# Altium PCB AT91-PCB.PcbDoc (part 2 of 3) (continued)
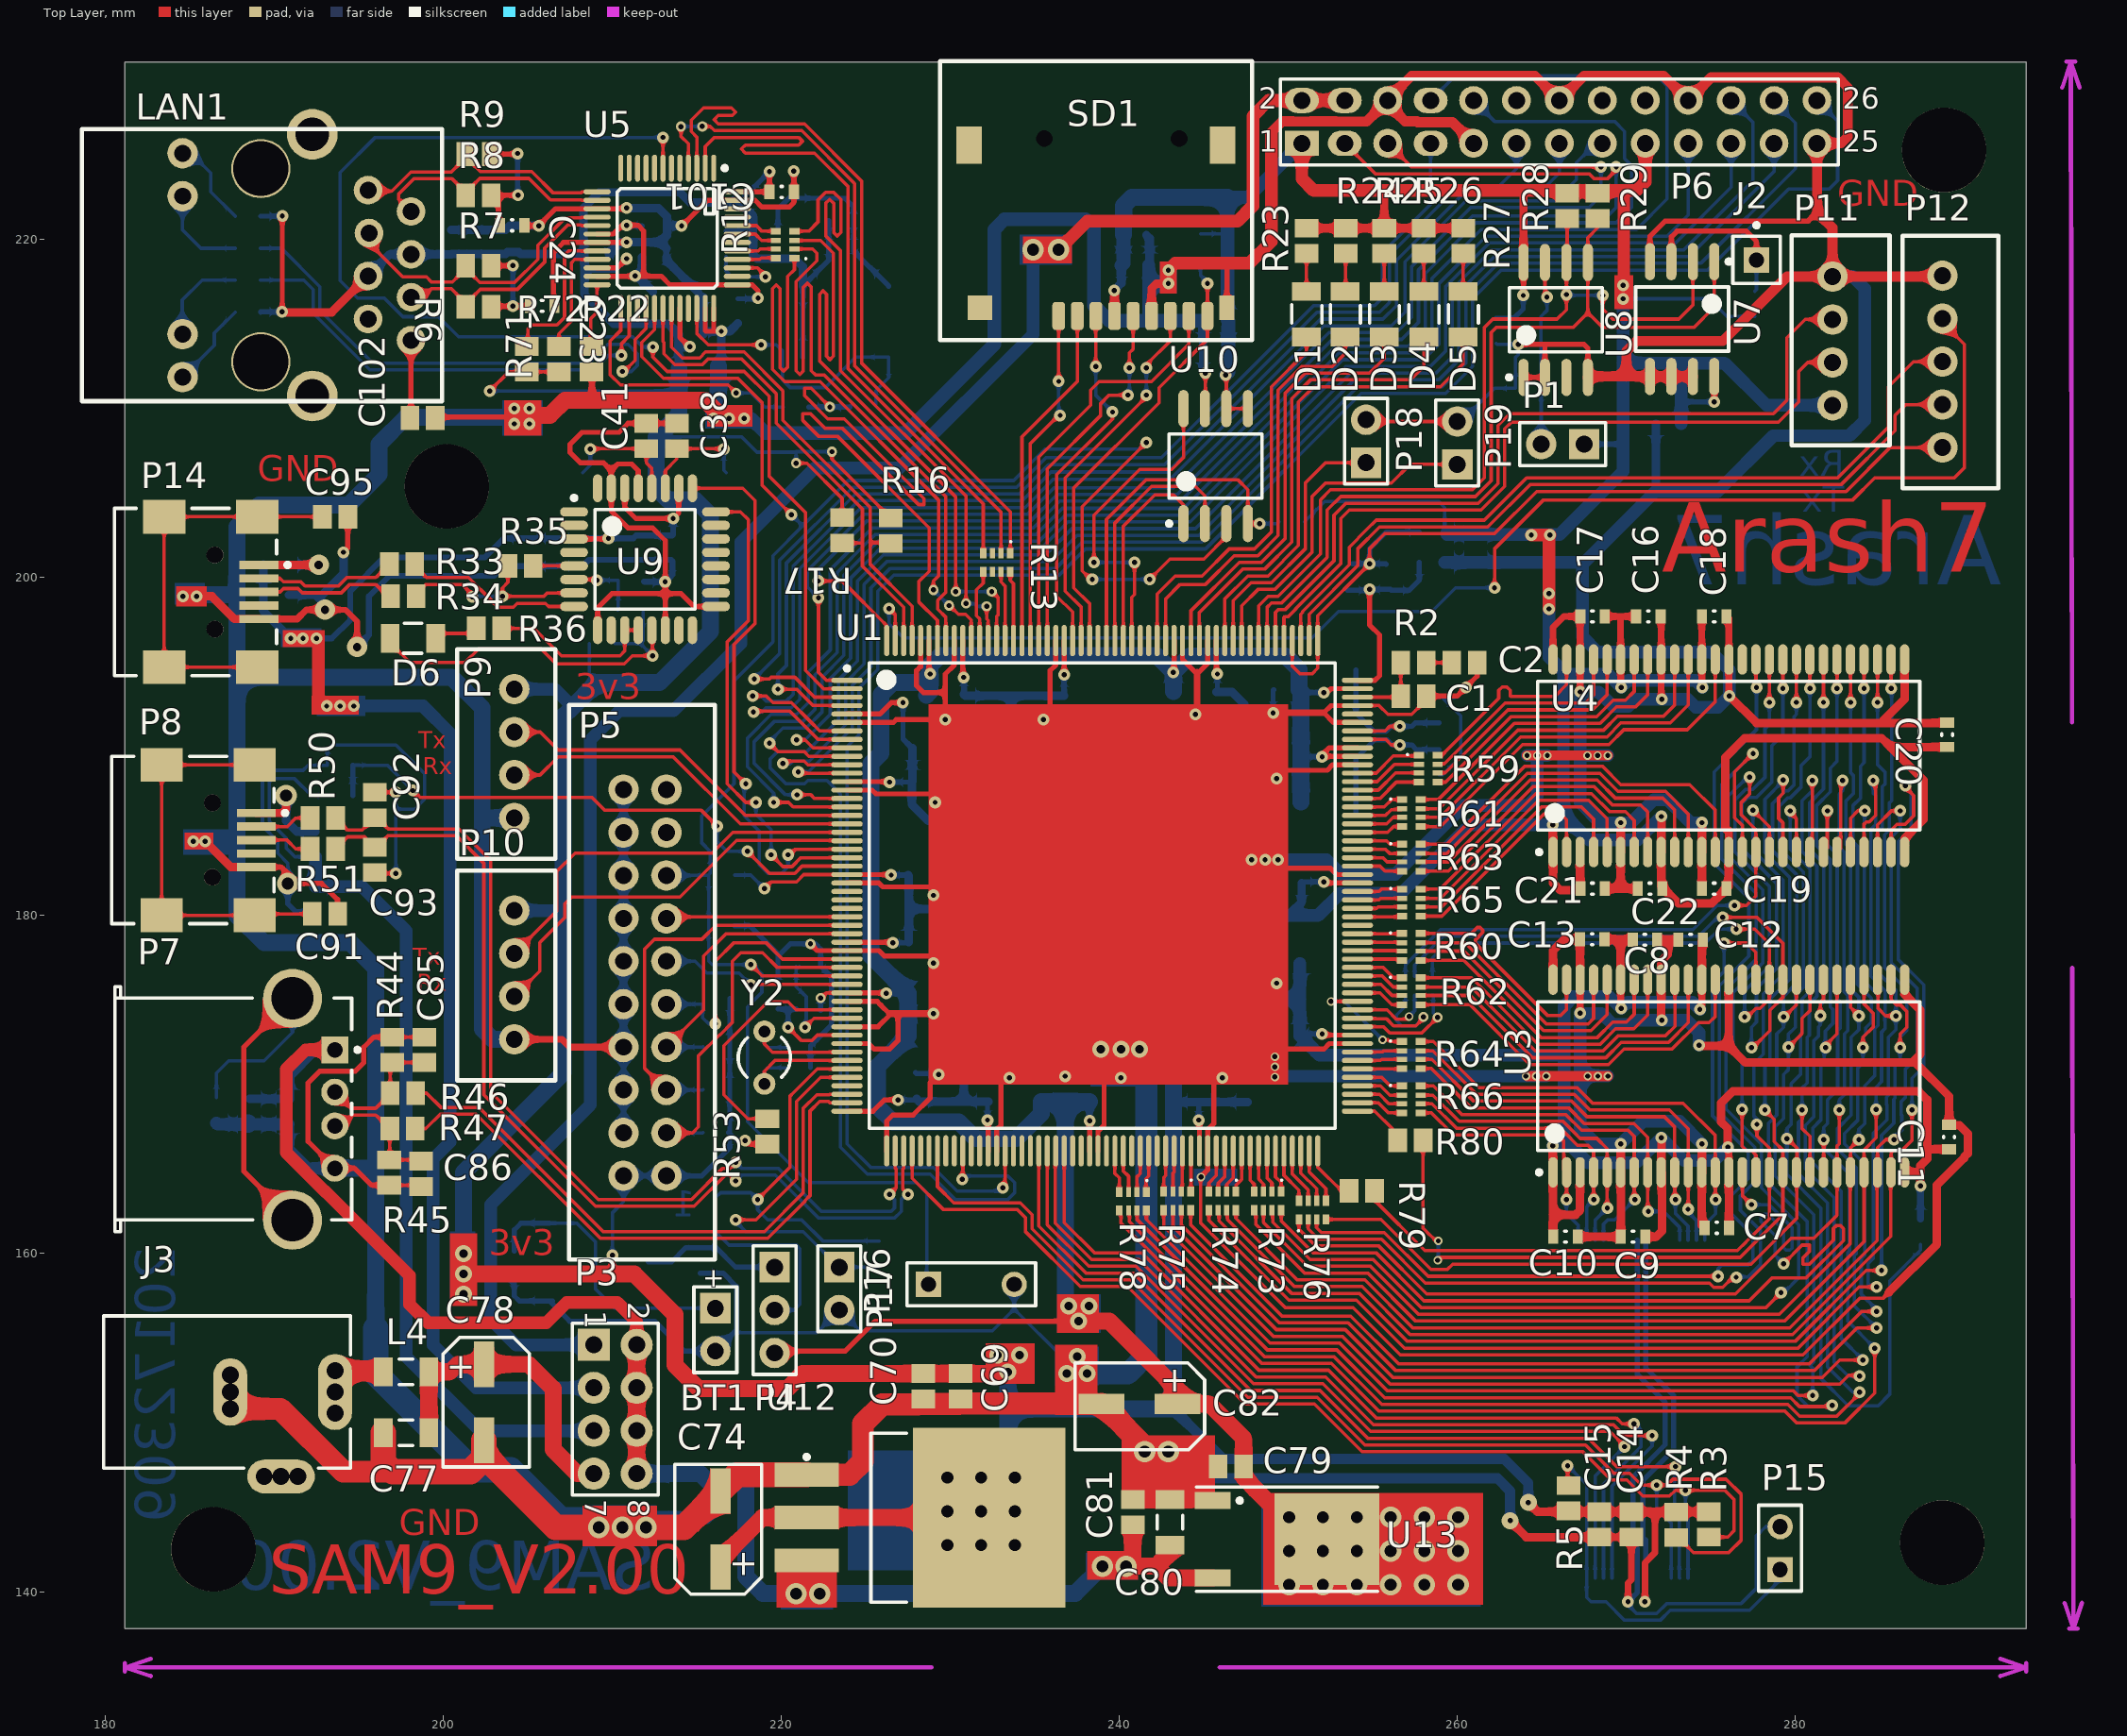
[diagram p0: Top Layer view]
## Nets (pads, with @x,y where several pads share a name; then routed paths per layer and width w, separated by ;. In a path a pad name is that pad's centre, name@x,y a point inside that pad or via, vN(x,y) a via of type N, cw(c..) or ccw(c..) an arc to the next point about the centre after c; other vN are vias at no path point) (continued)
  Bottom Layer w0.35: v6(193,198.1) v6@193,198.425 ; v6(194.9,195.9) 195.6,196.6 195.6,198.9 196.8,200.1 203,200.1 203.575,200.675 C42.1@204.85,200.675 206.7,200.675 C44.1@206.725,200.7 208.25,200.7 208.6,201.05 213.475,201.05 C43.1@213.55,200.975 213.55,200.175 v1(213.125,199.75) 211.9,199.75 C36.1@211.875,199.775
  Bottom Layer w0.4: P5.8@210.66,172.22 P5.10@210.66,174.76 P5.12@210.66,177.3 P5.14@210.66,179.84 P5.16@210.66,182.38 P5.18@210.66,184.92 P5.20@210.66,187.46
  Bottom Layer w0.5: C94.1@190.85,198.975 192.45,198.975 192.65,198.775 ; v6@193,198.425 192.65,198.775 ; v1(194.1,201.5) 194.1,200.225 192.65,198.775 ; C25.2@200.475,220.575 C28.1@201.8,220.575 203.675,220.575 203.925,220.825 v1(205.65,220.825) ; C26.1@209.8,219.15 210.5,219.85 ; v1@210.875,219.85 212.825,219.85 ; v1@210.875,221.875 212.725,221.875 213.225,221.375 C32.1@213.225,220.8 213.225,220.25 212.825,219.85 ; v2(212,143.8) v2@212,144.25 ; C33.1@213.2,218.95 213.2,218.775 C29.2@215.05,216.925 ; 213.2,219.475 212.825,219.85 ; C32.1@213.25,220.825 v1(214.1,220.825) ; C75.1@214.2,144.25 215.6,144.25 C76.1@216.4,145.05 ; C100.1@215.375,214.4 C29.2@215.375,216.6 ; C100.1@215.55,214.575 v1(216.45,214.575) ; C99.2@216.275,212.5 216.45,212.675 v1(216.45,214.575) ; C31.1@217.425,215.05 216.95,214.575 v1(216.45,214.575) ; C58.1@235.382,170.498 C62.1@238.227,170.498 ; C62.1@238.325,170.4 v1(240.1,170.4) ; C83.1@241.599,220.269 241.8,220.069 C84.1@241.8,218.291 ; 242.125,148.025 v2@243.05,148.025 ; C40.1@244.95,215.2 C39.1@244.95,213.4 244.95,212.25 v1(245.1,212.1) ; 271.7,205.1 271.75,205.15 C37.1@271.75,209.1
  Bottom Layer w0.6: v2@242.85,148.225 244.375,146.7 262.375,146.7 263.125,145.95 v7(263.125,144.2)
  Bottom Layer w0.7: C89.1@190.83,167.652 190.83,166.17 191.947,165.053 P7.4@193.578,165.053
  Bottom Layer w0.75: C87.1@186.575,167.725 186.648,167.652 C88.1@188.471,167.652 ; C88.1@188.544,167.652 C89.1@190.83,167.652 ; C84.1@241.75,218.5 241.75,218.341 241.75,217.4 ; 241.9,215.2 241.75,215.35 241.75,217.4 ; v1(242.9,217.4) 241.75,217.4 ; v1(247.825,183.3) v1(249.4,183.3) 252.275,183.3 253.125,182.45 256.325,182.45 260.4,186.525 264.175,186.525 264.725,187.075 v3(264.725,189.475) ; C55.1@249.2,172.884 249.2,170.5 v3(265.262,170.5) ; L5.2@259.25,200.9 267.4,200.9 ; v3(264.125,189.475) v3(264.725,189.475) ; v3(265.325,189.475) v3(264.725,189.475) ; v1(267.264,174.238) v1@267.264,174.213 ; v3@268.887,170.525 267.264,170.525 ; v3(268.9,189.475) v3(267.7,189.475) 267.364,189.475 267.264,189.575 ; v1(274.3,172.325) 274.3,173.075 273.573,173.802 v1(272.1,173.802) 270.527,173.802 270.277,173.552 269.198,173.552 268.537,174.213 v1@267.264,174.213 ; v1(274.475,166.502) 273.152,167.825 270.998,167.825 v1(269.675,166.502) 268.2,166.502 267.264,167.438 267.264,170.525 ; v1(274.475,185.5) 273.8,185.5 272.45,186.85 271.625,186.85 270.275,185.5 v1(269.675,185.5) 268.45,185.5 267.264,186.686 267.264,189.575 ; 283.28,217.82 283.38,217.82 284.1,217.1 284.1,209.3 283.2,208.4 278.7,208.4 275.4,205.1 271.7,205.1 267.4,200.8 267.4,196.5 268.3,195.6 275.025,195.6 276.1,194.525 v1(276.1,193) 275.425,192.325 274.1,192.325 273.625,192.8 v1(272.1,192.8) 270.55,192.8 270.125,192.375 269.225,192.375 268.364,193.236 v1(267.264,193.236) 267.264,189.575 ; 267.264,170.525 v1@267.264,174.213
  Bottom Layer w0.8: v1@217.6,209.4 218.225,209.4 219.075,208.55 227.35,208.55 232.6,213.8 232.6,220.6 233.2,221.2 238,221.2 238.5,220.7 238.5,216.1 239.4,215.2 241.9,215.2 C40.1@244.95,215.2
  Bottom Layer w1: v1(185.2,184.4) v1(185.9,184.4) ; v1@185.2,199 187.6,199 187.8,199.2 ; J3.2A@187.4,150.811 J3.2@187.4,151.811 J3.2B@187.4,152.811 ; C88.1@188.471,167.652 C88.1@188.471,167.725 ; P7.4@193.578,165.053 195.953,165.053 ; 196,155.55 196,176.9 194.5,178.4 189.4,178.4 187.8,180 187.8,194.1 ; 203.8,209.5 197.8,209.5 196.2,207.9 196.2,206.1 194.4,204.3 189.1,204.3 187.8,203 187.8,199.2 ; P10.4@204.2,172.68 202.92,172.68 202.3,173.3 202.3,185.9 ; P9.4@204.2,185.78 202.42,185.78 202.3,185.9 ; v2@212,144.25 C75.1@214.2,144.25 ; v1@216.275,209.425 C99.2@216.275,212.5 ; 187.8,194.1 187.8,199.2 ; 187.8,194.1 200.5,194.1 202.3,192.3 202.3,185.9
  Bottom Layer w1.3: v5(238.1,152.9) 240.5,152.9 241.6,154 241.6,171.3 v5@240.9,172
  Bottom Layer w1.5: 196,155.55 196,152.9 201.7,147.2 204,147.2 206.95,144.25 v2@212,144.25
  other v1: 236.804,170.498 248.625,183.3 184.6,198.9 185.4,198.9 204.2,209.1 205.1,209.1 216,209.425 216.9,209.425 217.8,209.425 204.2,210 205.1,210 210.85,219.85 210.85,221.875
  other v2: 210.6,143.8 242.9,148.275
  other v3: 249.2,170.45 264.062,170.5 264.662,170.5 249.2,171.05 249.2,171.65 268.3,189.475
  other v5: 236.9,152.9 237.5,153.9 238.9,172.1 240.1,172.1 241.2,172.1
GNDA: C72.1 C73.1 L5.1 U1.156 | length 12.4
  Top Layer w0.3: U1.156@254.089,193.928 255.128,193.928 255.4,194.2 255.4,196.6 254.8,197.2 v1(254.8,199.3)
  Bottom Layer w0.3: C73.1@253.5,199.25 254.75,199.25 v1(254.8,199.3) 256.05,199.3 C72.1@256.1,199.25 257.15,199.25 257.75,199.85 L5.1@257.75,200.9
GP_SCL: R28.2 U1.164 U7.2 U8.6 | length 51.5
  Top Layer w0.2: U1.164@248.239,196.278 248.239,198.339 248.8,198.9 249.4,198.9 251.9,201.4 251.9,204.6 252.5,205.2 260.9,205.2 261.6,205.9 261.6,214.8 262.1,215.3 265.9,215.3 266.45,215.85 v1(266.45,216.75) v1@266.445,216.755 ; v1@266.455,216.8 U8.6@266.455,218.649 266.5,218.695 R28.2@266.5,221.25 ; v1(268.6,216.7) 268.6,215.9 269.2,215.3 273.1,215.3 273.935,216.135 U7.2@273.935,218.7
  Bottom Layer w0.2: v1(266.45,216.75) 266.5,216.7 v1(268.6,216.7)
GP_SDA: R29.2 U1.163 U7.1 U8.5 | length 51.8
  Top Layer w0.2: U1.163@248.739,196.278 248.739,198.239 249,198.5 249.6,198.5 252.3,201.2 252.3,204 253.1,204.8 261.066,204.8 262,205.734 262,214.5 262.3,214.8 266.849,214.8 267.725,215.675 ; R29.2@268.3,221.25 268.3,220.7 267.725,220.125 U8.5@267.725,218.649 267.725,215.675 ; U7.1@275.205,218.7 275.205,216.005 274,214.8 268.6,214.8 267.725,215.675
HD_N: R46.1 U1.50 | length 35.2
  Top Layer w0.2: R46.1@198.362,169.494 199.012,169.494 199.853,168.653 202.113,168.653 209.466,161.3 219,161.3 221.3,163.6 221.3,168.6 222.1,169.4 222.835,169.4 222.864,169.428 U1.50@223.889,169.428
HD_P: R47.1 U1.51 | length 35.3
  Top Layer w0.2: R47.1@198.337,167.411 198.987,167.411 199.828,168.253 201.947,168.253 209.3,160.9 219.2,160.9 221.4,163.1 221.4,163.134 221.7,163.434 221.7,168.434 222.266,169 222.792,169 222.864,168.928 U1.51@223.889,168.928
LED0: D1.2 U1.176 | length 23.4
  Top Layer w0.2: U1.176@242.239,196.278 242.239,199.039 243.3,200.1 244.9,200.1 246.5,201.7 248,201.7 249,202.7 249,211.3 251.077,213.377 D1.2@251.077,214.236
LED1: D2.2 U1.175 | length 25.1
  Top Layer w0.2: U1.175@242.739,196.278 242.739,198.739 243.6,199.6 245.1,199.6 246.8,201.3 248.2,201.3 249.4,202.5 249.4,211.1 250.8,212.5 252.6,212.5 253.363,213.263 D2.2@253.363,214.236
LED2: D3.2 U1.172 | length 25.7
  Top Layer w0.2: U1.172@244.239,196.278 244.239,198.039 247.1,200.9 248.4,200.9 249.8,202.3 249.8,210.9 251,212.1 254.8,212.1 255.674,212.974 D3.2@255.674,214.236
LED3: D4.2 U1.171 | length 27.7
  Top Layer w0.2: U1.171@244.739,196.278 244.739,197.939 247.3,200.5 248.6,200.5 250.2,202.1 250.2,210.6 251.3,211.7 257.2,211.7 258.011,212.511 D4.2@258.011,214.236
LED4: D5.2 U1.168 | length 28.9
  Top Layer w0.2: U1.168@246.239,196.278 246.239,198.739 247.6,200.1 248.8,200.1 250.6,201.9 250.6,210.4 251.5,211.3 259,211.3 260.348,212.648 D5.2@260.348,214.236
LINK_LED: LAN1.10 R10.2 | length 5.6
  Bottom Layer w0.2: LAN1.10@184.571,222.574 184.571,220.579 185.66,219.49 R10.2@187.69,219.49
MCCDA: SD1.3 U1.186 | length 21.4
  Top Layer w0.2: U1.186@237.239,196.278 237.239,197.961 236.3,198.9 236.3,206.1 239.6,209.4 v1(239.6,209.8) ; v1(238.6,212.5) 238.6,215.467 SD1.3@238.615,215.482
  Bottom Layer w0.2: v1(238.6,212.5) 238.6,210.8 v1(239.6,209.8)
MCCK: SD1.5 U1.189 | length 22.2
  Top Layer w0.2: U1.189@235.739,196.278 235.739,206.439 238.9,209.6 238.9,210.3 239.4,210.8 v1(240.5,210.8) ; v1(240.6,212.4) 240.6,213.3 240.815,213.515 SD1.5@240.815,215.482
  Bottom Layer w0.2: v1(240.5,210.8) 240.6,210.7 v1(240.6,212.4)
MCDA0: SD1.7 U1.185 | length 22.2
  Top Layer w0.2: U1.185@237.739,196.278 237.739,198.261 236.8,199.2 236.8,205.9 241.6,210.7 v1(241.6,210.8) ; v1(241.6,212.4) 241.6,212.6 243.015,214.015 SD1.7@243.015,215.482
  Bottom Layer w0.2: v1(241.6,210.8) v1(241.6,212.4)
MCDA1: SD1.8 U1.190 | length 24.7
  Top Layer w0.2: U1.190@235.239,196.278 235.239,207.139 238.3,210.2 238.3,211.1 238.8,211.6 241.9,211.6 244.115,213.815 SD1.8@244.115,215.482
MCDA2: SD1.1@236.415,215.482 U1.191 | length 20.1
  Top Layer w0.2: U1.191@234.739,196.278 234.739,207.939 236.4,209.6 v1(236.5,209.6) ; v1(236.415,211.615) SD1.1@236.415,215.482
  Bottom Layer w0.2: v1(236.415,211.615) 236.415,209.615 236.43,209.6 v1(236.5,209.6)
MCDA3: SD1.2 U1.192 | length 20.6
  Top Layer w0.2: U1.192@234.239,196.278 234.239,208.339 237.515,211.615 SD1.2@237.515,215.482
NBS1: R76.3 U3.39 | length 52.8
  Top Layer w0.2: R76.3@251.675,162.025 251.675,161.528 251.953,161.25 255.684,161.25 258.277,158.658 v1(275.433,158.658) ; v1(275.775,178.375) 277.125,178.375 277.664,177.836 U3.39@277.664,176.21
  Bottom Layer w0.2: v1(275.433,158.658) 275.433,159.108 275.65,159.325 277.2,159.325 277.5,159.625 277.5,161.075 276.2,162.375 276.2,163.425 277.2,164.425 277.2,166.055 275.1,168.155 275.1,176.016 275.775,176.691 v1(275.775,178.375)
NBS3: R76.2 U4.39 | length 69.8
  Top Layer w0.2: R76.2@251.175,162.025 251.175,161.463 251.788,160.85 255.519,160.85 258.111,158.258 274.914,158.258 275.164,158.008 275.702,158.008 276.294,158.6 v1(276.5,158.6) v1@276.55,158.55 ; U4.39@277.664,195.159 277.664,193.536 v1(277.7,193.5)
  Bottom Layer w0.2: v1(276.5,158.6) 276.5,158.85 276.725,158.625 277.2,158.625 277.925,159.35 277.925,161.375 276.75,162.55 276.75,163.409 277.6,164.259 277.6,166.29 275.5,168.39 275.5,175.85 277.25,177.6 277.25,181.025 275.2,183.075 275.2,188.5 277.7,191 v1(277.7,193.5)
NCE: R4.2 U1.59 U2.9 | length 71.5
  Top Layer w0.2: U1.59@229.239,166.078 229.239,163.961 230.2,163 234.137,163 234.839,162.299 234.839,161.474 237.862,158.45 240.65,158.45 247.6,151.5 251.712,151.5 254.537,148.675 267.584,148.675 269.26,147 270.2,147 270.9,146.3 v1(271.799,146.3) 272.4,146.3 272.75,146.65 275.9,146.65 276.8,145.75 276.8,143.05 276.05,142.3 273.975,142.3 273.05,143.225 R4.2@272.575,143.225
  Bottom Layer w0.2: v1(271.799,146.3) 271.799,144.901 272.65,144.05 U2.9@272.65,140.8
NetBT1_1: BT1.1 C67.2 U11.3 | length 17
  Bottom Layer w0.2: U11.3@206.275,161.8 207.9,161.8 209,160.7 209,157.9 210.13,156.77 BT1.1@216.1,156.77
  Bottom Layer w0.3: C67.2@204.2,160.15 204.2,161.4 204.6,161.8 U11.3@206.275,161.8
NetC1_1: C1.1 R2.2 U1.154 | length 4.6
  Top Layer w0.2: U1.154@254.089,192.928 256.593,192.928 C1.1@256.654,192.989 R2.2@256.654,194.97
NetC2_2: C2.2 R2.1 | length 1.5
  Top Layer w0.2: R2.1@258.154,194.97 C2.2@259.676,194.97
NetC23_1: C23.1 R6.2 R7.2 | length 5.7
  Top Layer w0.3: R6.2@202.83,216.03 202.861,216.061 v1(204.11,216.061) 205.111,216.061 C23.1@205.125,216.075 ; R7.2@203.22,218.46 v1@204.185,218.46 ; v1@204.185,218.46 204.2,218.475 v1@204.185,218.46
  Bottom Layer w0.3: v1@204.125,216.076 v1(204.125,218.46)
NetC24_1: C24.1 R8.2 R9.2 | length 6.6
  Top Layer w0.3: R9.2@203.07,225.06 204.285,225.06 204.325,225.1 v1(204.4,225.1) ; R8.2@203.08,222.62 203.085,222.625 v1(204.425,222.625) ; C24.1@203.275,221.125 203.275,222.315 203.58,222.62
  Bottom Layer w0.3: v1@204.4,222.85 v1(204.4,225.1)
NetC29_1: C29.1 C31.2 C32.2 C33.2 U5.18 U5.23 U5.37 | length 20.6
  Top Layer w0.3: U5.23@209.1,217.83 211.85,217.83 ; U5.18@209.1,220.33 210.055,220.33 v1@210.525,220.8 ; v1@210.875,220.85 211.525,220.85 211.85,220.525 211.85,217.83 ; v1(218.625,216.55) 218.625,216.975 218.27,217.33 U5.37@217.4,217.33 213.405,217.33 213.4,217.325 212.895,217.83 211.85,217.83
  Bottom Layer w0.3: v1@210.875,220.825 211.75,220.825 C32.2@211.775,220.8 ; C31.2@217.425,216.5 218.575,216.5 v1(218.625,216.55)
  Bottom Layer w0.5: C33.2@211.75,218.95 211.75,218.25 v1(211.35,217.85) 211.475,217.85 C29.1@212.4,216.925
  other v1: 210.85,220.85
NetC38_1: C38.1 U9.27 Y3.2 | length 7.1
  Top Layer w0.2: U9.27@213.138,205.292 213.138,206.338 213.817,207.017 C38.1@213.817,207.632 216.568,207.632 v1(216.6,207.6) v1@216.6,207.8
  Bottom Layer w0.2: v1(216.6,207.6) 216.6,206.35 Y3.2@216.75,206.2
NetC41_1: C41.1 U9.28 Y3.1 | length 7.4
  Top Layer w0.2: v1(208.7,207.6) 208.732,207.632 C41.1@212.014,207.632 212.014,206.786 212.338,206.462 U9.28@212.338,205.292
  Bottom Layer w0.2: Y3.1@208.25,206.2 208.7,206.65 v1(208.7,207.6) ; v1@208.754,207.7 v1@208.754,207.645
NetC68_2: C68.2 P4.1 U11.4 | length 8.4
  Bottom Layer w0.3: U11.4@212.175,159.55 212.125,159.5 213.5,159.5 214.35,160.35 C68.2@215.2,160.35 216.15,160.35 217.3,159.2 P4.1@219.6,159.2
NetC85_1: C85.1 P7.2 R44.2 R46.2 | length 7.7
  Top Layer w0.2: P7.2@193.578,169.553 194.531,168.6 196,168.6 196.862,169.462 R46.2@196.862,169.494 R44.2@196.862,171.195 ; R44.2@196.977,171.31 C85.1@198.882,171.31
NetC86_1: C86.1 P7.3 R45.2 R47.2 | length 7.6
  Top Layer w0.2: P7.3@193.578,167.553 194.003,167.553 194.65,168.2 196,168.2 196.789,167.411 R47.2@196.837,167.411 196.837,165.583 R45.2@196.799,165.545 198.603,165.545 C86.1@198.679,165.469
NetC87_2: C87.2 P7.5 P7.6 | length 24.5
  Top Layer w0.3: P7.5@191.078,161.978 188.2,164.856 188.2,172.225 P7.6@191.078,175.103
  Bottom Layer w0.2: C87.2@186.575,169.225 186.575,170.675 187.3,171.4 189.4,171.4 191.078,173.078 P7.6@191.078,175.103
NetC91_2: C91.2 P8.6 P8.7 P8.8 P8.9 | length 23.3
  Top Layer w0.2: P8.8@188.834,188.92 P8.9@183.334,188.92 P8.7@183.334,180.02 P8.6@188.834,180.02 188.914,180.1 C91.2@192.25,180.1
NetC95_2: C95.2 P14.6 P14.7 P14.8 P14.9 | length 23.8
  Top Layer w0.2: P14.6@188.987,194.701 P14.7@183.487,194.701 P14.9@183.487,203.602 P14.8@188.987,203.602 192.848,203.602 C95.2@192.85,203.6
NetC102_2: C102.2 LAN1.8 | length 4.2
  Top Layer w0.3: C102.2@198.091,209.884 LAN1.8@198.091,214.049
NetD1_1: D1.1 R23.1 | length 2.2
  Top Layer w0.2: D1.1@251.077,216.936 R23.1@251.077,219.179
NetD2_1: D2.1 R24.1 | length 2.3
  Top Layer w0.2: D2.1@253.363,216.936 253.388,216.961 R24.1@253.388,219.179
NetD3_1: D3.1 R25.1 | length 2.2
  Top Layer w0.2: D3.1@255.674,216.936 R25.1@255.674,219.179
NetD4_1: D4.1 R26.1 | length 2.2
  Top Layer w0.2: D4.1@258.011,216.936 R26.1@258.011,219.179
NetD5_1: D5.1 R27.1 | length 2.2
  Top Layer w0.2: D5.1@260.348,216.936 R27.1@260.348,219.179
NetD6_2: D6.2 R36.1 | length 2.4
  Top Layer w0.2: D6.2@199.55,196.4 199.85,196.7 201.6,196.7 R36.1@201.6,196.425
NetJ2_1: J2.1 R30.2 U7.3 | length 9.9
  Top Layer w0.3: U7.3@272.665,218.7 272.665,220.165 273,220.5 277.1,220.5 277.7,219.9 J2.1@277.7,218.8
  Bottom Layer w0.2: R30.2@277.6,216.95 277.7,217.05 J2.1@277.7,218.8
NetJ3_1: J3.1 J3.1A J3.1B L4.1 pad.3@193.6,151.811 | length 2.9
  Top Layer w1: L4.1@196.389,153.061 L4.1@196.45,153
  Top Layer w1.2: J3.1B@193.6,153.061 L4.1@196.389,153.061
NetJ3_3: J3.3 J3.3A J3.3B pad.3@190.4,146.811
NetL6_2: L6.2 P8.1 | length 6.1
  Top Layer w0.5: P8.1@188.934,186.07 190.47,186.07 190.7,186.3 v2(190.7,187.1)
  Bottom Layer w0.5: v2(190.7,187.1) 190.7,185.6 191.324,184.976 L6.2@192.43,184.976
NetL7_2: L7.2 P14.1 | length 5.3
  Top Layer w0.2: v6@192.474,200.751 192.624,200.751 v6(192.625,200.75)
  Top Layer w0.5: P14.1@189.087,200.751 v6@192.474,200.751
  Bottom Layer w0.2: L7.2@190.85,200.775 L7.2@190.875,200.75
  Bottom Layer w0.5: L7.2@190.875,200.75 v6(192.625,200.75)
NetLAN1_9: LAN1.9 R13.2@187.69,221.39 | length 5.3
  Bottom Layer w0.2: LAN1.9@184.571,225.114 185.086,225.114 186.25,223.95 186.25,222.83 R13.2@187.69,221.39
NetLAN1_12: LAN1.12 R14.2 | length 5.1
  Bottom Layer w0.2: LAN1.12@184.571,211.864 186.45,213.743 186.45,214.47 R14.2@187.69,215.71
NetP8_2: P8.2 R50.2 | length 3.4
  Top Layer w0.2: P8.2@188.934,185.27 190.77,185.27 191.275,185.775 R50.2@192.125,185.775
NetP8_3: P8.3 R51.2 | length 3.5
  Top Layer w0.2: P8.3@188.934,184.47 190.755,184.47 191.275,183.95 R51.2@192.175,183.95
NetP15_1: P15.1 R5.2 U2.19 | length 23.1
  Top Layer w0.2: v1(266.525,147.45) 266.525,146.325 R5.2@266.575,146.275
  Bottom Layer w0.2: v1(266.525,147.45) 267.65,146.325 U2.19@267.65,140.8 267.65,139.65 267.9,139.4 268.8,139.4 269.9,138.3 272,138.3 272.6,138.9 277.3,138.9 279.1,140.7 P15.1@279.1,141.3
NetR10_1: R10.1 U5.28 | length 32.8
  Top Layer w0.2: v1(210.6,212.2) 210.6,212.1 211.35,212.85 211.35,214.091 212,214.741 U5.28@212,215.93
  Bottom Layer w0.2: R10.1@189.19,219.49 190.426,219.49 192.7,217.216 192.7,215.816 195.816,212.7 208.625,212.7 209.725,213.8 210.925,213.8 211.475,213.25 211.475,212.55 211.125,212.2 v1(210.6,212.2)
NetR11_1: R11.1 U5.26 | length 27.8
  Top Layer w0.2: v1(210.55,213.15) 210.55,213.85 210.95,214.25 210.95,214.256 211,214.306 U5.26@211,215.93 U5.26@210.95,215.88
  Bottom Layer w0.2: R11.1@189.19,217.61 191.74,217.61 192.3,217.05 192.3,215.65 195.65,212.3 208.9,212.3 209.75,213.15 v1(210.55,213.15)
NetR12_5: R12.5 U5.44 | length 2.4
  Top Layer w0.2: U5.44@217.4,220.83 218.52,220.83 218.85,220.5 R12.5@219.675,220.5
NetR12_6: R12.6 U5.43 | length 2.4
  Top Layer w0.2: U5.43@217.4,220.33 218.454,220.33 218.834,219.95 R12.6@219.675,219.95
NetR12_7: R12.7 U5.41 | length 2.3
  Top Layer w0.2: U5.41@217.4,219.33 218.63,219.33 218.75,219.45 R12.7@219.675,219.45
NetR12_8: R12.8 U5.40 | length 2.3
  Top Layer w0.2: U5.40@217.4,218.83 218.73,218.83 218.825,218.925 219.65,218.925 R12.8@219.675,218.9
NetR13_1: R13.1@233.55,201.45 U5.3 | length 43.4
  Top Layer w0.2: U5.3@215,224.23 215,226.075 214.675,226.4 214.675,227.075 215.4,227.8 217.05,227.8 217.3,227.55 217.1,227.35 216.275,227.35 216.025,227.1 216.275,226.85 221.375,226.85 224.747,223.478 224.747,212.7 233.55,203.897 R13.1@233.55,201.45
NetR13_2: R13.2@233,201.45 U5.4 | length 39.8
  Top Layer w0.2: v4(214.064,226.69) 214.064,226.111 214.5,225.675 U5.4@214.5,224.23 ; v4(215.325,226.7) 215.8,226.7 216.05,226.45 221.209,226.45 224.347,223.313 224.347,212.535 233,203.881 R13.2@233,201.45
  Bottom Layer w0.2: v4(214.064,226.69) 214.074,226.7 v4(215.325,226.7)
NetR13_4: R13.4 U5.2 | length 43.4
  Top Layer w0.2: U5.2@215.5,224.23 215.5,225.5 216.05,226.05 221.025,226.05 221.25,225.825 221.025,225.6 217.875,225.6 217.637,225.362 217.875,225.125 221.969,225.125 223.947,223.147 223.947,212.369 231.95,204.366 R13.4@231.95,201.45
NetR22_2: R22.2 U5.24 | length 3.5
  Top Layer w0.2: R22.2@208.8,213.975 208.725,214.05 208.725,215.325 209.1,215.7 U5.24@209.1,217.33
NetR33_1: R33.1 U9.8 | length 10.7
  Top Layer w0.2: R33.1@198.311,200.812 198.311,200.699 199.01,200 201.499,200 202.85,198.65 202.85,198.63 203.23,198.25 204.15,198.25 204.375,198.475 206.05,198.475 206.233,198.292 U9.8@207.738,198.292
NetR34_1: R34.1 R35.2 U9.7 | length 12.2
  Top Layer w0.2: R34.1@198.387,198.907 198.387,199.007 198.98,199.6 201.11,199.6 201.71,199 v1(201.71,198.87) ; R35.2@203.825,200.7 203.825,199.725 203.5,199.4 v1(203.5,198.9) 205.95,198.9 206.142,199.092 U9.7@207.738,199.092 U9.7@207.621,198.975
  Bottom Layer w0.2: v1@201.74,198.9 v1(203.5,198.9)
NetR35_1: R35.1 U9.5 | length 2.4
  Top Layer w0.2: R35.1@205.325,200.7 207.729,200.7 U9.5@207.738,200.692
NetR36_2: R36.2 U9.11 U9.12 | length 10.7
  Top Layer w0.2: R36.2@203.1,196.425 203.675,197 205.375,197 207,195.375 210.45,195.375 210.738,195.663 U9.11@210.738,196.892 U9.12@211.538,196.892
NetR59_1: R59.1 U1.145 | length 4.2
  Top Layer w0.2: U1.145@254.139,188.478 U1.145@254.089,188.428 255.193,188.428 256.214,189.45 257.73,189.45 R59.1@257.73,189.5
NetR59_2: R59.2 U1.144 | length 4.1
  Top Layer w0.2: U1.144@254.089,187.928 255.258,187.928 256.28,188.95 R59.2@257.73,188.95
NetR59_3: R59.3 U1.143 | length 4.1
  Top Layer w0.2: U1.143@254.089,187.428 255.324,187.428 256.346,188.45 R59.3@257.73,188.45
NetR59_4: R59.4 U1.142 | length 4
  Top Layer w0.2: U1.142@254.089,186.928 255.418,186.928 256.39,187.9 R59.4@257.73,187.9
NetR60_1: R60.1 U1.126 | length 2.6
  Top Layer w0.2: U1.126@254.089,178.928 256.703,178.928 R60.1@256.725,178.95
NetR60_2: R60.2 U1.125 | length 2.6
  Top Layer w0.2: U1.125@254.089,178.428 256.697,178.428 R60.2@256.725,178.4
NetR60_3: R60.3 U1.124 | length 2.6
  Top Layer w0.2: U1.124@254.089,177.928 256.697,177.928 R60.3@256.725,177.9
NetR60_4: R60.4 U1.123 | length 2.7
  Top Layer w0.2: U1.123@254.089,177.428 256.647,177.428 R60.4@256.725,177.35
NetR61_1: R61.1 U1.141 | length 2.8
  Top Layer w0.2: U1.141@254.089,186.428 255.678,186.428 256.12,186.87 R61.1@256.73,186.87
NetR61_2: R61.2 U1.140 | length 2.8
  Top Layer w0.2: U1.140@254.089,185.928 255.744,185.928 256.086,186.27 256.68,186.27 R61.2@256.73,186.32
NetR61_3: R61.3 U1.139 | length 2.8
  Top Layer w0.2: U1.139@254.089,185.428 255.81,185.428 256.201,185.82 R61.3@256.73,185.82
NetR61_4: R61.4 U1.138 | length 2.8
  Top Layer w0.2: U1.138@254.089,184.928 255.875,184.928 256.217,185.27 R61.4@256.73,185.27
NetR62_1: R62.1 U1.122 | length 2.9
  Top Layer w0.2: U1.122@254.089,176.928 255.619,176.928 256.222,176.325 R62.1@256.725,176.325
NetR62_2: R62.2 U1.121 | length 2.9
  Top Layer w0.2: U1.121@254.089,176.428 255.553,176.428 256.206,175.775 R62.2@256.725,175.775
NetR62_3: R62.3 U1.120 | length 2.9
  Top Layer w0.2: U1.120@254.089,175.928 255.487,175.928 256.141,175.275 R62.3@256.725,175.275
NetR62_4: R62.4 U1.119 | length 2.9
  Top Layer w0.2: U1.119@254.089,175.428 255.422,175.428 256.125,174.725 R62.4@256.725,174.725
NetR63_1: R63.1 U1.137 | length 2.7
  Top Layer w0.2: U1.137@254.089,184.428 255.822,184.428 256.02,184.23 R63.1@256.73,184.23
NetR63_2: R63.2 U1.136 | length 2.7
  Top Layer w0.2: U1.136@254.089,183.928 255.747,183.928 255.995,183.68 R63.2@256.73,183.68
NetR63_3: R63.3 U1.135 | length 2.7
  Top Layer w0.2: U1.135@254.089,183.428 255.597,183.428 255.845,183.18 R63.3@256.73,183.18
NetR63_4: R63.4 U1.134 | length 2.8
  Top Layer w0.2: U1.134@254.089,182.928 255.422,182.928 255.72,182.63 R63.4@256.73,182.63
NetR64_1: R64.1 U1.118 | length 7.1
  Top Layer w0.2: v3(252.525,174.925) 252.528,174.928 U1.118@254.089,174.928 ; v3(255.575,172.65) 255.9,172.65 256,172.55 R64.1@256.725,172.55
  Bottom Layer w0.2: v3(252.525,174.925) 253.3,174.925 v3(255.575,172.65) 255.575,172.542 v3@255.625,172.492 ; v3@255.625,172.65 v3@255.625,172.492 ; v3@255.625,172.492 255.625,172.475 255.633,172.483 v3@255.625,172.492
NetR64_2: R64.2 U1.112 | length 2.7
  Top Layer w0.2: U1.112@254.089,171.928 255.553,171.928 255.625,172 R64.2@256.725,172
NetR64_3: R64.3 U1.111 | length 2.7
  Top Layer w0.2: U1.111@254.089,171.428 255.453,171.428 255.525,171.5 R64.3@256.725,171.5
NetR64_4: R64.4 U1.110 | length 2.6
  Top Layer w0.2: U1.110@254.089,170.928 256.703,170.928 R64.4@256.725,170.95
NetR65_1: R65.1 U1.131 | length 2.7
  Top Layer w0.2: U1.131@254.089,181.428 255.378,181.428 255.52,181.57 R65.1@256.73,181.57
NetR65_2: R65.2 U1.130 | length 2.7
  Top Layer w0.2: U1.130@254.089,180.928 255.375,180.928 255.467,181.02 R65.2@256.73,181.02
NetR65_3: R65.3 U1.129 | length 2.7
  Top Layer w0.2: U1.129@254.089,180.428 255.225,180.428 255.317,180.52 R65.3@256.73,180.52
NetR65_4: R65.4 U1.128 | length 2.7
  Top Layer w0.2: U1.128@254.089,179.928 256.688,179.928 R65.4@256.73,179.97
NetR66_1: R66.1 U1.109 | length 2.8
  Top Layer w0.2: U1.109@254.089,170.428 255.522,170.428 256.025,169.925 R66.1@256.725,169.925
NetR66_2: R66.2 U1.108 | length 2.9
  Top Layer w0.2: U1.108@254.089,169.928 255.456,169.928 256.009,169.375 R66.2@256.725,169.375
NetR66_3: R66.3 U1.107 | length 2.9
  Top Layer w0.2: U1.107@254.089,169.428 255.39,169.428 255.944,168.875 R66.3@256.725,168.875
NetR66_4: R66.4 U1.106 | length 2.9
  Top Layer w0.2: U1.106@254.089,168.928 255.325,168.928 255.928,168.325 R66.4@256.725,168.325
NetR67_1: R67.1 U5.39 | length 5.4
  Top Layer w0.2: U5.39@217.4,218.33 218.595,218.33 219.15,217.775 219.075,217.775 v1(219.05,217.8)
  Bottom Layer w0.2: R67.1@216.725,219 216.725,218.15 217.075,217.8 v1(219.05,217.8)
NetR70_2: R70.2 U5.25 | length 15.2
  Top Layer w0.2: U5.25@210.5,215.93 210.5,214.625 209.875,214 209.875,212.006 210.481,211.4 216.85,211.4 v4(217.325,210.925)
  Bottom Layer w0.2: v4(217.325,210.925) 218.2,210.925 219.025,210.1 R70.2@220.125,210.1
NetR71_2: R71.2 U5.21 | length 6.9
  Top Layer w0.2: R71.2@206.85,213.675 206.85,214.45 207.575,215.175 207.575,218.625 207.78,218.83 U5.21@209.1,218.83
NetR72_2: R72.2 U5.20 | length 9.2
  Top Layer w0.2: R72.2@204.95,213.675 205,213.725 205,214.7 205.25,214.95 206.725,214.95 207.175,215.4 207.175,219.1 207.405,219.33 U5.20@209.1,219.33
NetR73_1: R73.1 U1.99 | length 2.5
  Top Layer w0.2: U1.99@249.239,166.078 249.239,164.546 249.58,164.204 R73.1@249.58,163.67
NetR73_2: R73.2 U1.98 | length 2.5
  Top Layer w0.2: U1.98@248.739,166.078 248.739,164.48 249.03,164.189 R73.2@249.03,163.67
NetR73_3: R73.3 U1.97 | length 2.5
  Top Layer w0.2: U1.97@248.239,166.078 248.239,164.414 248.53,164.123 R73.3@248.53,163.67
NetR73_4: R73.4 U1.96 | length 2.5
  Top Layer w0.2: U1.96@247.739,166.078 247.739,164.349 247.98,164.107 R73.4@247.98,163.67
NetR74_1: R74.1 U1.95 | length 2.5
  Top Layer w0.2: R74.1@246.9,163.67 246.9,164.05 247.239,164.389 U1.95@247.239,166.078
NetR74_2: R74.2 U1.94 | length 2.6
  Top Layer w0.2: R74.2@246.35,163.67 246.35,164.094 246.739,164.482 U1.94@246.739,166.078
NetR74_3: R74.3 U1.93 | length 2.6
  Top Layer w0.2: R74.3@245.85,163.67 245.85,164.159 246.239,164.548 U1.93@246.239,166.078
NetR74_4: R74.4 U1.92 | length 2.6
  Top Layer w0.2: R74.4@245.3,163.67 245.3,164.175 245.739,164.614 U1.92@245.739,166.078
NetR75_1: R75.1 U1.89 | length 2.4
  Top Layer w0.2: R75.1@244.225,163.675 244.239,163.689 U1.89@244.239,166.078
NetR75_2: R75.2 U1.88 | length 2.4
  Top Layer w0.2: R75.2@243.675,163.675 243.725,163.725 243.725,166.065 U1.88@243.739,166.078
NetR75_3: R75.3 U1.87 | length 2.4
  Top Layer w0.2: R75.3@243.175,163.675 243.175,164.75 243.239,164.814 U1.87@243.239,166.078
NetR75_4: R75.4 U1.86 | length 2.5
  Top Layer w0.2: R75.4@242.625,163.675 242.625,164.5 242.739,164.614 U1.86@242.739,166.078
NetR76_5: R76.5 U1.103 | length 3.4
  Top Layer w0.2: U1.103@251.239,166.078 251.239,164.833 252.225,163.847 R76.5@252.225,163.125
NetR76_6: R76.6 U1.102 | length 3.3
  Top Layer w0.2: U1.102@250.739,166.078 250.739,164.768 251.675,163.831 R76.6@251.675,163.125
NetR76_7: R76.7 U1.101 | length 3.3
  Top Layer w0.2: U1.101@250.239,166.078 250.239,164.702 251.175,163.766 R76.7@251.175,163.125
NetR76_8: R76.8 U1.100 | length 3.3
  Top Layer w0.2: U1.100@249.739,166.078 249.739,164.636 250.625,163.75 R76.8@250.625,163.125
NetR77_1: R77.1 U1.115 | length 6.8
  Top Layer w0.2: U1.115@254.089,173.428 255.622,173.428 256,173.05 257.9,173.05 v4(258.825,173.975)
  Bottom Layer w0.2: R77.1@258.525,175.3 258.575,175.25 258.575,174.225 v4(258.825,173.975) v4@258.9,173.975